# Altium PCB hellen1-72.PcbDoc (part 3 of 3)
Units mm, origin at the board's own origin, x right, y up, seen from the top; angles counter-clockwise.
Board outline 154 x 159 mm, 2 copper layers (Top Layer, Bottom Layer), stack 1.171 mm thick; 118 components, 204 nets, 757 pads, 461 vias.
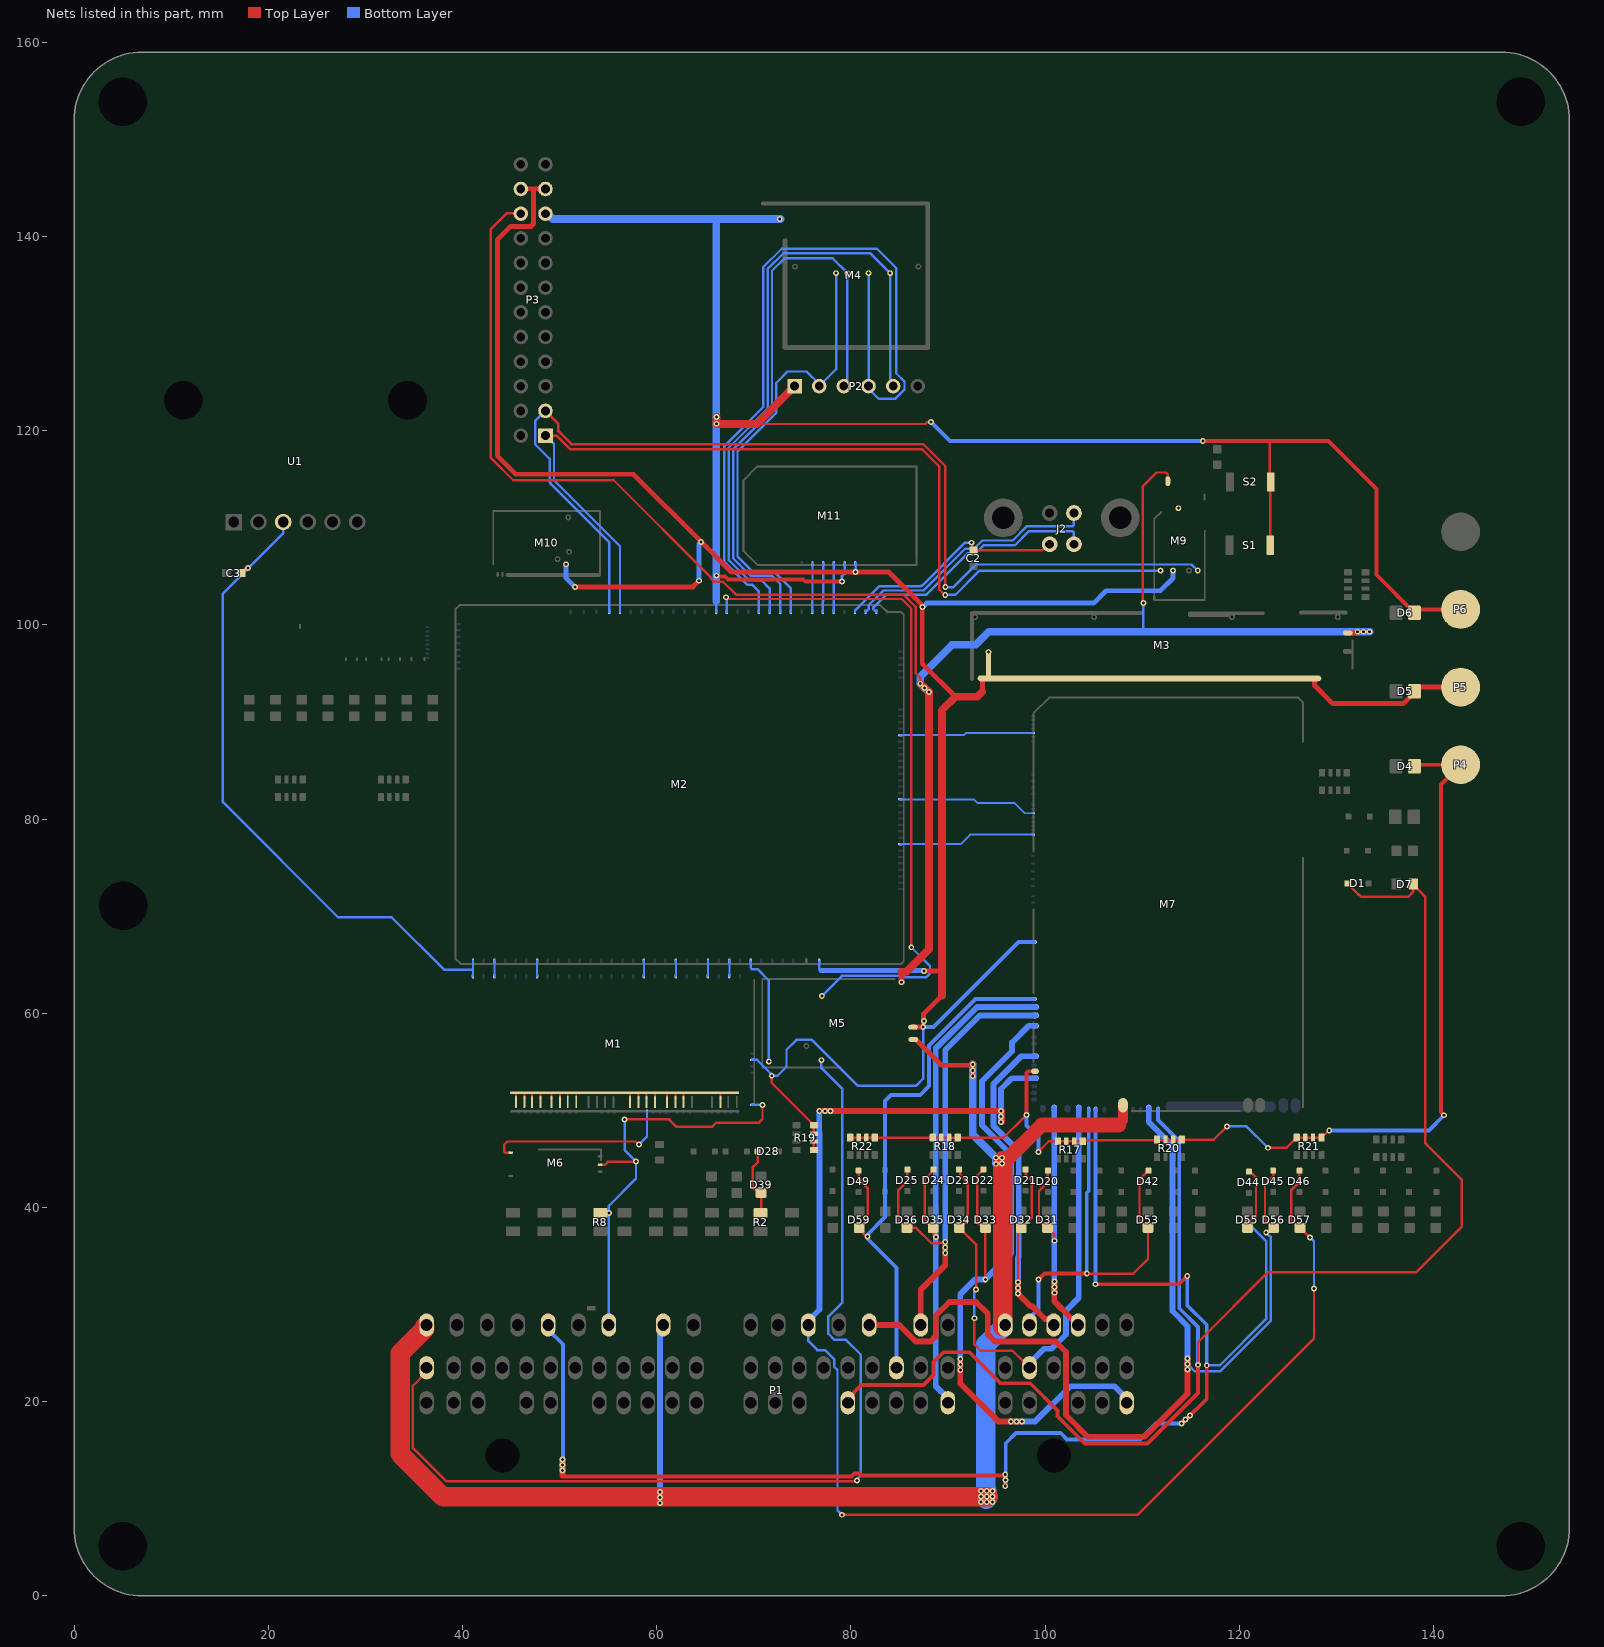
[diagram p3: the nets of this part, all layers, seen from the top]

## Via types
v1: diameter 0.6, hole 0.3, Top Layer to Bottom Layer, tented both sides, 461 vias

## Nets (pads, with @x,y where several pads share a name; then routed paths per layer and width w, separated by ;. In a path a pad name is that pad's centre, name@x,y a point inside that pad or via, vN(x,y) a via of type N, cw(c..) or ccw(c..) an arc to the next point about the centre after c; other vN are vias at no path point) (continued)
OUT_INJ3: D20.2 D31.2 M7.S17 P1.2G | length 33
  Top Layer w0.25: D31.2@100.25,37.9 D31.2@100.3,37.9 ; D20.2@100.3,43.8 100.3,42.624 99.375,41.699 99.375,38.725 100.2,37.9 D31.2@100.3,37.9 ; v1(100.975,36.575) 100.975,37.225 D31.2@100.3,37.9
  Top Layer w0.6: v1@100.95,31.225 100.95,30.35 102.778,28.522 102.984,28.522 103.4,28.106 P1.2G@103.4,27.9 ; v1(100.975,31.225) v1(100.975,31.8) v1(100.975,32.375)
  Bottom Layer w0.6: v1@100.952,31.225 M7.S17@100.952,50.189
OUT_INJ4: D21.2 D32.2 M7.W7 P1.2J | length 47
  Top Layer w0.25: v1(97.2,32.3) 97.212,32.313 97.212,37.562 D32.2@97.55,37.9 97.6,37.9 98.625,38.925 98.625,42.774 98,43.399 D21.2@98,43.925
  Top Layer w0.6: v1(97.2,32.3) v1(97.2,31.725) v1(97.2,31.15) 98.514,29.836 98.682,29.836 99.996,28.522 100.484,28.522 100.9,28.106 P1.2J@100.9,27.9
  Bottom Layer w0.6: v1(97.2,31.15) v1(97.2,31.725) 97.2,34.819 97.3,34.919 97.3,45.8 94.675,48.425 94.675,52.706 97.557,55.589 M7.W7@98.972,55.589
OUT_INJ5: D22.2 D33.2 M7.W10 P1.2C | length 79.3
  Top Layer w0.25: D22.2@93.65,43.925 93,43.275 93,38.45 93.175,38.275 93.45,38.275 93.725,38 D33.2@93.725,37.75 ; v1(93.85,32.6) 93.85,37.625 D33.2@93.725,37.75 ; D33.2@93.875,37.9 D33.2@93.725,37.75
  Top Layer w0.6: v1(91.275,24.4) v1(91.275,23.825) v1(91.275,23.25) 91.275,21.875 95.175,17.975 v1(96.475,17.975) v1(97.05,17.975) v1(97.625,17.975)
  Bottom Layer w0.6: v1(91.275,23.25) v1(91.275,23.825) v1(91.275,24.4) 91.275,31.056 92.819,32.6 v1(93.85,32.6) 96.5,35.25 96.5,45.469 93.5,48.469 93.5,53 96.6,56.1 96.6,56.981 98.332,58.714 M7.W10@98.972,58.714 ; v1(96.475,17.975) v1(97.05,17.975) v1(97.625,17.975) 99,17.975 102.625,21.6 107.15,21.6 108.4,20.35 P1.2C@108.4,19.9
OUT_INJ6: D23.2 D34.2 M7.S15 P1.2N | length 55.6
  Top Layer w0.25: D23.2@91.125,43.9 91.275,43.75 91.275,43.35 92.05,42.575 92.05,38.725 D34.2@91.225,37.9 ; v1(92.725,28.6) 92.725,25.9 93.375,25.25 96.65,25.25 97.711,24.189 97.823,24.189 98.4,23.612 P1.2N@98.4,23.5 ; v1(92.9,31.55) 92.9,36.175 91.6,37.475 91.6,37.525 D34.2@91.225,37.9 ; D34.2@91.225,37.9 D34.2@91.175,37.9 D34.2@91.225,37.9
  Bottom Layer w0.25: v1(92.725,28.6) 92.725,31.28 92.9,31.455 v1(92.9,31.55)
  Bottom Layer w0.6: P1.2N@98.4,23.5 98.4,23.95 99.9,25.45 100.668,25.45 102.15,26.932 102.15,29.375 103.477,30.702 M7.S15@103.477,50.189
OUT_INJ7: D24.2 D35.2 M7.W12 P1.3C | length 56.9
  Top Layer w0.25: D24.2@88.525,43.9 88.225,43.6 88.225,43.525 87.6,42.9 87.6,38.725 88.425,37.9 D35.2@88.475,37.9 88.475,37.25 v1(88.775,36.95)
  Bottom Layer w0.6: P1.3C@90,19.9 90,20.35 88.75,21.6 88.75,26.932 88.75,56.4 93.014,60.664 M7.W12@98.972,60.664
OUT_INJ8: D25.2 D36.2 M7.W11 P1.3D | length 52.7
  Top Layer w0.25: D25.2@85.825,43.9 85.825,42.724 84.9,41.799 84.9,38.725 85.725,37.9 D36.2@85.775,37.9 86.713,37.9 88.288,36.325 89.13,36.325 89.188,36.383 89.658,36.383 v1(89.725,36.45)
  Top Layer w0.6: P1.3D@87.2,27.9 87.2,31.525 89.725,34.05 v1(89.725,35.3) v1(89.725,35.875) v1(89.725,36.45)
  Bottom Layer w0.6: v1(89.725,35.3) v1(89.725,35.875) v1(89.725,36.45) 89.725,56.225 93.289,59.789 M7.W11@98.972,59.789
OUT_MAIN: D49.2 D59.2 M7.W13 P1.3H | length 59.7
  Top Layer w0.25: D49.2@80.8,43.8 80.8,42.95 81.725,42.025 81.725,38.725 D59.2@80.9,37.9 ; D59.2@80.85,37.9 D59.2@80.9,37.9 ; v1(81.7,37) 81.595,37 81.275,37.32 81.275,37.525 D59.2@80.9,37.9
  Bottom Layer w0.4: P1.3H@84.7,23.5 84.7,33.8 81.738,36.762 81.738,36.908 81.711,36.935 81.635,36.935 81.738,37.038 81.738,37.238 83.526,39.026 83.526,50.991 84.135,51.6 87.15,51.6 88.05,52.5 88.05,56.69 92.849,61.489 M7.W13@98.877,61.489
OUT_O2H: D45.2 D56.2 M7.S7 P1.3J | length 109.7
  Top Layer w0.25: v1(122.775,37.425) 122.87,37.425 122.97,37.525 123.125,37.525 D56.2@123.5,37.9 ; D45.2@123.5,43.8 123.5,43.261 122.65,42.411 122.65,38.75 D56.2@123.5,37.9 ; D56.2@123.55,37.9 D56.2@123.5,37.9
  Top Layer w0.6: P1.3J@81.89,27.9 84.982,27.9 86.682,26.2 88.2,26.2 88.75,26.75 88.75,28.868 90.157,30.275 92.9,30.275 94.1,29.075 94.1,26.95 94.85,26.2 101.075,26.2 102.15,25.125 102.15,18.625 104.375,16.4 110.25,16.4 114.675,20.825 v1(114.675,23.3) v1(114.675,23.875) v1(114.675,24.45)
  Bottom Layer w0.25: v1(114.675,24.45) 114.675,23.775 114.775,23.775 115.425,23.125 118.025,23.125 123.225,28.325 123.225,36.975 v1(122.775,37.425)
  Bottom Layer w0.6: M7.S7@110.677,50.189 110.677,48.798 113.1,46.375 113.1,46.29 113.125,46.265 113.125,29.331 114.675,27.781 v1(114.675,24.45) v1(114.675,23.875) v1(114.675,23.3)
OUT_O2H2: D46.2 D57.2 M7.W4 P1.3P | length 147
  Top Layer w0.25: v1(79.075,8.35) 109.525,8.35 127.7,26.525 v1(127.7,31.675) ; D46.2@126.2,43.8 126.2,42.636 125.375,41.811 125.375,38.725 126.2,37.9 D57.2@126.25,37.9 126.3,37.9 v1(127.3,36.9)
  Top Layer w0.6: v1@76.975,49.95 v1(77.325,49.95) v1(77.9,49.95) 85.425,49.95 95.575,49.95 95.575,49.375 v1@95.575,48.8
  Bottom Layer w0.25: P1.3P@75.63,27.9 75.63,26.245 76.555,25.32 77.35,25.32 78.275,24.395 78.275,23.6 78.625,23.25 78.625,8.8 v1(79.075,8.35) ; v1(127.3,36.9) 127.7,36.5 v1(127.7,31.675)
  Bottom Layer w0.6: P1.3P@75.63,27.9 75.63,28.35 76.775,29.495 76.775,47.675 76.75,47.7 v1(76.75,49.95) v1(77.325,49.95) v1(77.9,49.95) ; v1(95.475,48.8) v1(95.475,49.375) 95.475,52.205 96.584,53.314 M7.W4@98.972,53.314
  other v1: 95.475,49.95
OUT_PUMP: D42.2 D53.2 M7.S14 P1.2M | length 44
  Top Layer w0.25: v1(104.3,33.2) 109.084,33.2 110.6,34.716 D53.2@110.6,37.9 110.55,37.9 109.725,38.725 109.725,42.875 D42.2@110.65,43.8
  Top Layer w0.4: v1(99.325,32.575) 99.95,33.2 v1(104.3,33.2)
  Bottom Layer w0.4: P1.2M@98.4,27.9 98.4,28.608 99.325,29.533 v1(99.325,32.575) ; v1(104.3,33.2) 104.3,41.523 104.497,41.72 M7.S14@104.497,50.089
OUT_TACH: D1.1 D7.1 M7.S6 P1.3O | length 156.7
  Top Layer w0.25: v1(115.75,23.8) 115.75,26.13 122.97,33.35 138.25,33.35 142.9,38 142.9,42.875 139.175,46.6 139.175,71.995 137.9,73.27 D7.1@137.9,73.32 137.9,72.5 137.4,72 132.584,72 132.359,72.225 132.275,72.225 D1.1@131.125,73.375
  Top Layer w0.4: P1.3O@79.7,19.9 79.7,20.35 81.072,21.722 87.498,21.722 88.511,22.735 88.511,24.087 89.524,25.1 92.224,25.1 95.424,21.9 98.476,21.9 101.281,19.096 101.281,18.504 104.085,15.7 110.54,15.7 115.75,20.91 v1(115.75,23.8)
  Bottom Layer w0.4: M7.S6@111.652,50.089 111.652,48.998 113.8,46.85 113.8,46.58 113.825,46.555 113.825,29.621 115.75,27.696 v1(115.75,23.8)
OUT_VVT: D44.2 D55.2 M7.S13 P1.4R | length 161.3
  Top Layer w0.25: v1(120.85,38.475) 120.945,38.475 121.245,38.775 121.476,38.775 121.725,39.024 121.725,43.075 D44.2@121,43.8
  Top Layer w0.4: 50.311,12.413 50.411,12.313 80.057,12.313 80.344,12.6 80.924,12.6 81.111,12.413 95.671,12.413 95.72,12.462 95.862,12.462 v1(95.9,12.5) 95.912,12.488 95.912,11.938 v1(95.925,11.925) ; v1@95.95,11.275 v1@95.95,11.925 ; v1(105.2,32.1) 113.8,32.1 v1(114.65,32.95) ; v1(114.05,17.75) v1(114.475,18.175) ; v1@114.5,18.15 116.65,20.3 v1(116.65,23.75) ; D55.2@120.85,37.9 v1(120.85,38.475)
  Top Layer w0.6: 50.3,12.527 50.3,12.675 v1(50.3,12.9) v1(50.3,13.475) v1(50.3,14.05) ; 50.311,12.413 50.311,12.516
  Bottom Layer w0.25: v1@116.65,23.775 118.039,23.775 122.775,28.511 122.775,36.541 120.85,38.466 v1(120.85,38.475)
  Bottom Layer w0.4: P1.4R@48.82,27.9 48.82,27.45 50.35,25.92 v1@50.35,12.759 ; v1(95.9,11.3) 95.9,11.925 v1(95.9,12.5) 95.938,12.538 95.938,12.68 95.95,12.691 95.95,15.725 97,16.775 101.616,16.775 102.266,16.125 109.775,16.125 111.4,17.75 v1(114.05,17.75) 114.075,17.75 114.488,18.163 114.9,18.575 v1(114.925,18.575) ; v1(105.2,32.1) 105.2,50.082 M7.S13@105.207,50.089 ; v1(114.65,32.95) 114.65,29.925 116.65,27.925 v1(116.65,23.75)
  Bottom Layer w0.6: v1(50.3,12.9) v1(50.3,13.475) v1(50.3,14.05)
PUMP: M2.E20 M7.W27 | length 14.3
  Bottom Layer w0.2: M2.E20@85.102,82.045 92.655,82.045 93.05,81.65 96.859,81.65 97.901,80.609 M7.W27@98.772,80.609
SD_CS: M2.N21 M4.V4 P2.2 | length 46.8
  Bottom Layer w0.25: M2.N21@73.825,101.352 73.825,103.75 72.075,105.5 69.875,105.5 68.325,107.05 68.325,117.875 72.325,121.875 72.325,124.95 73.475,126.1 75.45,126.1 76.74,124.81 P2.2@76.74,124.6 78.475,126.335 M4.V4@78.475,136.23
SD_MISO: M2.N19 M4.V7 P2.5 | length 65.4
  Bottom Layer w0.25: M2.N19@71.625,101.352 71.625,103.764 70.789,104.6 69.502,104.6 67.425,106.677 67.425,118.248 71.425,122.248 71.425,136.661 73.039,138.275 82.005,138.275 M4.V7@84.05,136.23 84.05,125.248 84.36,124.938 P2.5@84.36,124.6
SD_MOSI: M2.N20 M4.V5 P2.3 | length 60.8
  Bottom Layer w0.25: M2.N20@72.725,101.352 72.725,104.214 71.889,105.05 69.689,105.05 68.507,106.232 67.875,106.864 67.875,118.061 71.875,122.061 71.875,136.475 73.15,137.75 78.13,137.75 M4.V5@79.65,136.23 79.65,125.308 79.28,124.938 P2.3@79.28,124.6
SD_SCK: M2.N18 M4.V6 P2.4 | length 83.5
  Bottom Layer w0.25: M2.N18@70.525,101.352 70.525,103.45 69.825,104.15 69.316,104.15 66.975,106.491 66.975,118.434 70.975,122.434 70.975,136.848 72.877,138.75 82.675,138.75 84.675,136.75 84.675,125.925 85.525,125.075 85.525,124.245 84.556,123.276 82.874,123.276 81.82,124.33 P2.4@81.82,124.6 81.822,124.602 81.822,136.227 M4.V6@81.825,136.23
SENS2: M1.N25 M2.S9 | length 1.6
  Bottom Layer w0.2: M1.N25@67.482,63.83 M2.S9@67.482,65.42
SENS4: M1.N23 M2.S11 | length 1.6
  Bottom Layer w0.2: M1.N23@65.282,63.83 M2.S11@65.282,65.42
STEERING: M1.N3 M2.S31 | length 1.6
  Bottom Layer w0.2: M1.N3@43.28,63.827 43.283,63.83 43.283,65.42 M2.S31@43.285,65.423
SWCLK: M2.N23 M11.N5 | length 5
  Bottom Layer w0.25: M2.N23@76.025,101.352 76.025,102.425 76.05,102.45 M11.N5@76.05,106.3
SWDIO: M2.N24 M11.N4 | length 5
  Bottom Layer w0.25: M2.N24@77.125,101.352 77.125,102.425 77.15,102.45 M11.N4@77.15,106.3
SWO: M2.N25 M11.N3 | length 5
  Bottom Layer w0.25: M2.N25@78.225,101.352 78.225,103.813 78.25,103.839 M11.N3@78.25,106.3
TACH: M2.E27 M7.W22 | length 14.1
  Bottom Layer w0.2: M2.E27@85.102,77.425 91.3,77.425 92.284,78.409 M7.W22@98.772,78.409
TPS: M1.N17 M2.S17 | length 1.6
  Bottom Layer w0.2: M1.N17@58.683,63.83 M2.S17@58.683,65.42
UART_RX: M2.N5 M9.V2 P3.1 | length 99.9
  Top Layer w0.25: P3.1@48.55,119.5 49.702,119.5 51.127,118.075 87.35,118.075 89.104,116.321 89.104,103.646 89.651,103.1 v1(89.725,103.1)
  Bottom Layer w0.25: P3.1@48.55,119.5 49.425,118.625 49.425,114.902 56.225,108.102 M2.N5@56.225,101.352 ; v1(89.725,103.1) 90.75,103.1 93.25,105.6 M9.V2@111.9,105.6
UART_TX: M2.N4 M9.V5 P3.3 | length 108
  Top Layer w0.25: P3.3@48.55,122.04 49.875,120.715 49.875,119.964 51.214,118.625 87.45,118.625 89.729,116.346 v1(89.729,103.905)
  Bottom Layer w0.25: P3.3@48.55,122.065 47.475,120.99 47.475,118.615 48.975,117.115 48.975,114.716 49.1,114.591 49.1,114.5 55.125,108.475 M2.N4@55.125,101.352 ; v1(89.729,103.905) 90.555,103.905 92.875,106.225 115.1,106.225 M9.V5@115.725,105.6
USB_N: J2.2 M2.N29 | length 25.9
  Bottom Layer w0.25: M2.N29@82.625,101.352 82.625,101.477 82.459,101.477 82.327,101.609 82.327,101.815 83.612,103.1 87.75,103.1 92.05,107.4 92.87,107.4 93.666,108.196 96.877,108.196 98.351,109.671 102.843,109.671 102.975,109.539 J2.2@102.975,108.315
USB_P: J2.3 M2.N28 | length 26.7
  Bottom Layer w0.25: M2.N28@81.525,101.352 81.525,101.477 81.691,101.477 81.823,101.609 81.823,102.024 83.349,103.55 87.473,103.55 91.773,107.85 92.684,107.85 93.534,108.7 96.668,108.7 98.143,110.175 102.843,110.175 102.975,110.306 J2.3@102.975,111.53
V5: D5.1 M1.E2 M2.S1 M3.V6 M5.E1 M7.W14 M9.V3 M10.V1 M11.N1 P3.21 P3.22 P5.1 R19.5 R19.6 R19.7 R19.8 | length 301.6
  Top Layer w0.25: v1(71.85,53.575) 71.85,52.825 75.925,48.75 75.925,48.675 76.125,48.475 R19.8@76.2,48.475 R19.7@76.2,47.6 R19.6@76.2,46.8 R19.5@76.2,45.925
  Top Layer w0.5: P3.22@46.01,144.9 46.035,144.925 47.325,144.925 48.525,144.925 P3.21@48.55,144.9 ; 47.325,144.8 47.325,141.314 47.061,141.05 44.975,141.05 43.6,139.675 43.6,117.425 45.5,115.525 57.6,115.525 v1(64.575,108.55) 67.675,105.45 v1(80.475,105.45) 83.918,105.45 87.357,102.011 87.357,96.02 90.777,92.6 ; v1(51.575,103.925) 63.725,103.925 v1(64.35,104.55) ; M5.E1@86.4,58.575 87.398,58.575 87.423,58.6 v1(87.45,58.6) 87.45,58.627 87.48,58.657 87.48,59.201 87.47,59.21 87.47,59.915 87.734,60.178 89.375,61.819 ; v1(87.525,64.35) 89.375,64.35 ; 93.541,93.116 93.541,94.454 93.587,94.5 127.69,94.5 127.736,94.454 127.736,93.814 129.65,91.9 130.875,91.9 136.88,91.9 138.05,93.07 D5.1@138.05,93.17 138.05,93.27 137.72,93.6 P5.1@142.8,93.6
  Top Layer w0.8: 89.375,61.819 89.375,64.35 89.375,91.198 90.777,92.6 93.025,92.6 93.541,93.116
  Bottom Layer w0.25: M1.E2@69.85,55.198 70.357,55.198 71.783,53.772 71.783,53.737 71.832,53.688 v1@71.868,53.688 ; v1(71.85,53.575) 72.45,53.575 73.375,54.5 73.375,56.25 74.393,57.268 75.982,57.268 80.725,52.525 86.7,52.525 87.45,53.275 v1(87.45,58.6) ; M2.S1@76.725,65.323 76.725,64.625 76.925,64.425 ; v1(80.475,105.45) 80.5,105.475 M11.N1@80.5,106.36
  Bottom Layer w0.4: v1(87.45,58.6) 88.525,58.6 97.264,67.339 M7.W14@98.877,67.339
  Bottom Layer w0.5: M10.V1@50.67,106.255 50.67,104.83 v1(51.575,103.925) ; v1(64.35,104.55) 64.35,108.325 v1(64.575,108.55) ; 76.925,64.425 87.423,64.425 87.498,64.35 v1(87.525,64.35) ; v1(87.375,101.85) 87.402,101.85 87.802,102.25 105,102.25 106.275,103.525 111.875,103.525 113.175,104.825 M9.V3@113.175,105.6
  other v1: 87.53,59.201
V5A: C3.1 M1.E6 M1.J1 M1.J3 M1.J4 M1.J5 M1.J6 M1.J7 M1.J8 M1.J9 M1.J10 M1.J15 M1.J16 M1.J17 M1.J18 M1.J19 M1.J20 M1.J21 M1.J24 M1.N1 M2.S33 M6.E2 P1.4L R8.2 U1.3 | length 120.2
  Top Layer w0.2: M1.J3@45.495,51.25 M1.J1@45.495,51.775 ; M1.J4@46.37,51.25 M1.J1@46.37,51.775 ; M1.J5@47.17,51.25 M1.J1@47.17,51.775 ; M1.J6@48.045,51.25 M1.J1@48.045,51.775 ; M1.J7@49.17,51.25 M1.J1@49.17,51.775 ; M1.J8@50.045,51.25 M1.J1@50.045,51.775 ; M1.J9@50.845,51.25 M1.J1@50.845,51.775 ; M1.J10@51.72,51.25 M1.J1@51.72,51.775 ; M1.J15@57.27,51.25 M1.J1@57.27,51.775 ; M1.J16@58.145,51.25 M1.J1@58.145,51.775 ; M1.J17@58.945,51.25 M1.J1@58.945,51.775 ; M1.J18@59.82,51.25 M1.J1@59.82,51.775 ; M1.J19@61.07,51.25 M1.J1@61.07,51.775 ; M1.J20@61.945,51.25 M1.J1@61.945,51.775 ; M1.J21@62.745,51.25 M1.J1@62.745,51.775 ; M1.J24@66.575,51.25 M1.J1@66.575,51.775
  Top Layer w0.25: M6.E2@54.175,44.4 54.675,44.4 54.975,44.7 57.825,44.7 v1(57.875,44.75) ; R8.2@54.2,39.45 v1(55.1,39.45) ; v1(56.7,49.05) 56.725,49.075 61.275,49.075 62.041,48.309 65.7,48.309 66.141,48.75 70.55,48.75 70.9,49.1 v1(70.9,50.575)
  Top Layer w0.4: C3.1@17.24,105.35 17.727,105.837 17.887,105.837 v1(17.925,105.875)
  Bottom Layer w0.2: M1.N1@41.08,63.827 41.083,63.83 41.083,64.5 41.085,64.503 M2.S33@41.085,65.423
  Bottom Layer w0.25: U1.3@21.53,110.6 21.53,109.43 15.325,103.225 15.325,81.761 15.593,81.493 27.186,69.9 32.7,69.9 38.1,64.5 41.083,64.5 ; P1.4L@55.08,27.9 v1@55.08,39.45 ; v1(55.1,39.45) v1@55.08,39.45 ; v1(56.7,49.05) 56.7,45.925 v1(57.875,44.75) 57.875,42.975 55.08,40.18 v1@55.08,39.45 ; M1.E6@69.85,50.578 70.897,50.578 v1(70.9,50.575)
V12: M3.V5 M5.V1 M9.N1 M9.V1 P3.20 | length 189.8
  Top Layer w0.25: P3.20@46.01,142.385 44.535,142.385 42.925,140.775 42.925,117.2 45.225,114.9 55.575,114.9 65.55,104.925 65.55,104.816 65.916,104.45 66.85,104.45 68.175,103.125 85.43,103.125 86.675,101.88 86.675,95.03 87.13,94.575 87.13,93.97 v1(87.15,93.95) v1@87.2,93.95 ; v1(110.125,102.25) 110.07,102.305 110.07,111.988 110.05,112.008 110.05,114.275 111.475,115.7 112.45,115.7 112.65,115.5 M9.N1@112.65,114.8
  Top Layer w0.5: M3.V5@131.17,99.175 132.048,99.175 132.173,99.3 v1(132.2,99.3) 132.219,99.319 132.29,99.319 132.314,99.343 132.73,99.343 132.773,99.3 v1(132.8,99.3) 132.827,99.3 132.882,99.355 133.343,99.355 133.398,99.3 v1(133.425,99.3)
  Top Layer w0.6: M5.V1@85.225,63.2 85.225,64.275
  Top Layer w0.8: 85.225,64.275 85.725,64.275 88.048,66.598 88.048,93.102 87.61,93.54 v1@87.2,93.95
  Bottom Layer w0.25: 110.125,99.3 v1(110.125,102.25)
  Bottom Layer w0.8: v1(88.035,93.09) 88.01,93.09 v1(87.585,93.515) v1(87.15,93.95) 87.15,94.675 90.425,97.95 92.85,97.95 94.2,99.3 110.125,99.3 v1(132.2,99.3) v1(132.8,99.3) v1(133.425,99.3)
V12_PERM: M5.V4 P1.4AG | length 103.1
  Top Layer w0.25: P1.4AG@36.3,23.5 36.3,23.05 34.9,21.65 34.9,15.225 38.337,11.788 80.327,11.788 80.373,11.833 80.567,11.833 v1(80.634,11.9)
  Bottom Layer w0.25: M5.V4@76.965,55.175 76.965,54.36 79.125,52.2 79.125,30.235 77.685,28.795 77.685,27.005 78.315,26.375 79.5,26.375 81.025,24.85 81.025,12.385 80.634,11.995 v1(80.634,11.9)
V12_RAW: M5.E2 M7.S11 P1.2P P1.4AF P1.4D | length 172.6
  Top Layer w0.5: M5.E2@86.43,57.305 86.68,57.305 89.336,54.65 92.448,54.65 92.523,54.725 v1(92.55,54.725) 92.55,54.698 92.55,54.207 v1@92.55,53.625
  Top Layer w0.6: v1(60.35,9.55) v1(60.35,10.125) v1(60.35,10.7) ; v1(93.4,9.675) 93.4,10.2 v1(93.4,10.25) v1(93.4,10.825) ; v1(94,9.675) 94,10.2 v1(94,10.25) v1(94,10.825) ; v1(94.575,9.675) v1(94.575,10.25) v1(94.575,10.825)
  Top Layer w0.8: v1@92.523,54.725 v1@92.55,54.698
  Top Layer w1: v1(95.55,44.525) 95.6,44.525 v1@95.638,44.488 ; 107.6,48.5 108.027,48.927 M7.S11@108.027,50.539
  Top Layer w1.5: v1@95.638,44.488 99.65,48.5 107.6,48.5
  Top Layer w2: P1.4AF@36.1,27.7 36.1,27.5 33.575,24.975 33.575,14.625 38,10.2 93.4,10.2 94,10.2 v1@94.15,10.2 ; P1.2P@95.638,27.7 95.638,44.488 v1@95.638,44.8
  Bottom Layer w0.6: v1(60.35,9.55) v1(60.35,10.125) v1(60.35,10.7) 60.35,26.886 60.67,27.206 P1.4D@60.67,27.9
  Bottom Layer w0.8: v1(92.55,54.725) 92.55,54.207 92.55,53.625 92.55,47.525 v1(94.95,45.125) ; v1(94.95,45.125) v1(94.95,44.5) 95,44.5 95.006,44.506 95.531,44.506 v1(95.55,44.525) v1(95.55,45.125) v1(94.95,45.125)
  Bottom Layer w2: v1@93.95,9.975 v1@93.95,10.825 ; v1(94,10.825) 93.9,10.925 93.9,25.9 P1.2P@95.7,27.7
  other v1: 92.55,53.525 92.55,54.107
V12P: D4.1 M7.W5 P4.1 R17.5 R17.6 R17.7 R17.8 R18.5 R18.6 R18.7 R18.8 R20.5 R20.6 R20.7 R20.8 R21.5 R21.6 R21.7 R21.8 R22.5 R22.6 R22.7 R22.8 | length 116.1
  Top Layer w0.25: R22.8@79.925,47.2 R22.7@80.8,47.2 R22.6@81.6,47.2 R22.5@82.475,47.2 R18.8@88.45,47.2 R18.7@89.325,47.2 R18.6@90.125,47.2 R18.5@91,47.2 95.742,47.2 v1(98.084,49.541) ; v1(99.325,45.725) 99.325,45.775 100.375,46.825 R17.8@101.325,46.825 R17.7@102.2,46.825 R17.6@103,46.825 R17.5@103.875,46.825 103.963,46.913 R20.8@111.525,46.913 ; R20.8@111.525,47 R20.8@111.525,46.913 ; R20.7@112.4,47 R20.7@112.4,46.913 ; R20.6@113.2,47 R20.6@113.2,46.913 ; v1(118.725,48.35) 117.375,47 R20.5@114.075,47 113.988,46.913 R20.6@113.2,46.913 ; v1(122.95,46.15) 124.875,46.15 125.65,46.925 125.725,46.925 125.925,47.125 R21.8@125.925,47.2 R21.7@126.8,47.2 R21.6@127.6,47.2 R21.5@128.475,47.2 128.475,47.275 128.675,47.475 128.75,47.475 v1@129.238,47.962 ; R20.8@111.525,46.913 R20.7@112.4,46.913 ; R20.7@112.4,46.913 R20.6@113.2,46.913
  Top Layer w0.4: v1(98.084,49.541) 98.084,53.859 98.259,54.035 M7.W5@98.972,54.035 ; D4.1@138.05,85.45 138.2,85.6 P4.1@142.8,85.6 140.775,83.575 140.775,49.825 v1(141.1,49.5)
  Bottom Layer w0.25: v1(118.725,48.35) 120.75,48.35 v1(122.95,46.15)
  Bottom Layer w0.4: v1(98.084,49.541) 98.084,48.44 99.325,47.199 v1(99.325,45.725) ; v1(129.275,47.925) 139.525,47.925 v1(141.1,49.5)
V33: D6.1 M2.N14 M4.V1 M11.N2 P2.1 P3.19 P6.1 S1.2 S2.2 | length 187.4
  Top Layer w0.25: 70.3,120.7 87.675,120.7 87.846,120.871 88.221,120.871 v1(88.25,120.9) ; 122.975,118.95 123.004,118.95 123.15,118.804 123.15,114.825 S2.2@123.25,114.725 123.2,114.675 S1.2@123.2,108.225
  Top Layer w0.4: v1(66.175,105.075) 66.229,105.075 66.329,104.975 67.067,104.975 67.342,104.7 75.09,104.7 75.315,104.475 v1(79.075,104.475) ; v1(116.25,118.95) 122.975,118.95 ; 123.004,118.95 129.175,118.95 134.125,114 134.125,105.175 D6.1@138.05,101.25 138.4,101.6 P6.1@142.8,101.6
  Top Layer w0.8: v1@66.174,120.775 v1@66.175,120.775 ; v1@66.175,120.7 70.3,120.7 P2.1@74.2,124.6 ; v1(66.175,120.725) v1@66.175,120.775 ; v1(66.175,121.425) v1@66.175,120.775
  Bottom Layer w0.25: M2.N14@66.125,101.352 66.125,102.475 ; v1@66.125,105.025 v1(66.175,105.075) ; v1(79.075,104.475) 79.075,105 79.35,105.275 M11.N2@79.35,106.3
  Bottom Layer w0.4: v1(88.25,120.9) 90.2,118.95 v1(116.25,118.95)
  Bottom Layer w0.8: P3.19@48.55,142.385 48.714,142.385 49.294,141.805 66.325,141.805 ; 66.125,102.475 66.125,105.025 66.125,141.605 66.325,141.805 ; M4.V1@72.75,141.805 66.325,141.805
VBAT: M2.N15 M5.V2 | length 71.7
  Top Layer w0.25: v1(67.125,102.85) 67.22,102.85 67.395,102.675 85.243,102.675 86.225,101.693 v1(86.225,66.8)
  Bottom Layer w0.25: v1(67.125,102.85) 67.125,102.755 67.225,102.655 M2.N15@67.225,101.352 ; M5.V2@77.013,61.788 79.075,63.85 85.459,63.85 85.584,63.725 87.784,63.725 88.15,64.091 88.15,64.875 v1(86.225,66.8)
VBUS: C2.2 J2.1 M2.N27 | length 24
  Top Layer w0.25: v1(92.425,108.475) 92.492,108.408 92.492,107.829 C2.2@92.641,107.68 99.687,107.68 100.322,108.315 J2.1@100.475,108.315
  Bottom Layer w0.25: M2.N27@80.425,101.352 80.425,101.477 82.948,104 87.175,104 87.2,104.025 87.311,104.025 91.761,108.475 v1(92.425,108.475)
VIGN: M2.S7 M5.V5 | length 11.4
  Bottom Layer w0.25: M2.S7@69.685,65.323 69.685,64.671 69.831,64.525 70.425,64.525 71.55,63.4 M5.V5@71.55,55.025
VREF2: M1.S13 M6.W2 | length 19.3
  Top Layer w0.25: M6.W2@44.975,45.65 44.421,45.65 44.29,45.782 44.29,46.465 44.625,46.8 57.85,46.8 v1(58.175,46.475)
  Bottom Layer w0.25: v1(58.175,46.475) 59.007,47.307 M1.S13@59.007,49.865
VSS: M1.N20 M2.S14 | length 1.6
  Bottom Layer w0.2: M1.N20@61.982,63.83 M2.S14@61.982,65.42
VSS_PULLUP: D28.2 D39.2 R2.2 | length 7.1
  Top Layer w0.25: D28.2@70.4,45.775 70.4,44.65 69.875,44.125 69.875,42.05 70.05,41.875 70.375,41.875 D39.2@70.75,41.5 70.75,39.5 R2.2@70.7,39.45
VTCS: M1.N7 M2.S27 | length 1.6
  Bottom Layer w0.2: M1.N7@47.683,63.83 M2.S27@47.683,65.42
VVT: M2.E10 M7.W36 | length 13.8
  Bottom Layer w0.2: M2.E10@85.102,88.645 91.645,88.645 91.879,88.879 M7.W36@98.772,88.879
pads on no net: J2.MH M1.E3 M1.E4 M1.S14 M2.E11 M2.E13 M2.E23 M2.E24 M2.N10 M2.N11 M2.N12 M2.N13 M2.N16 M2.N17 M2.N30 M2.S3 M2.S4 M2.S5 M2.S6 M7.S9 M7.W8 P1. P1.3S P1.4AC P1.4E P1.4Z P3.12 P3.13 P3.14 P3.15 P3.16 P3.17 P3.18 R19.4 R22.4 U1. U1.4 U1.5 U1.6
copper on no net: | length 92
  Top Layer w0.6: 111.105,123.248 111.12,128.535 ; 111.118,123.185 ccw(c113.268,123.175) 113.258,121.025 ; 111.12,128.515 cw(c113.27,128.525) 113.26,130.675 ; 113.255,121.022 124.155,121.022 ; 113.258,130.672 124.182,130.672 ; 124.18,121.023 ccw(c124.17,123.172) 126.32,123.182 126.32,128.585 ; 124.183,130.675 cw(c124.173,128.525) 126.323,128.516
  Bottom Layer w0.6: 111.105,123.248 111.12,128.535 ; 111.118,123.185 ccw(c113.268,123.175) 113.258,121.025 ; 111.12,128.515 cw(c113.27,128.525) 113.26,130.675 ; 113.255,121.022 124.155,121.022 ; 113.258,130.672 124.182,130.672 ; 124.18,121.023 ccw(c124.17,123.172) 126.32,123.182 126.32,128.585 ; 124.183,130.675 cw(c124.173,128.525) 126.323,128.516

## Polygon pours and split planes (outlines as drawn)
no net on Top Overlay "PGND-Internal2" (solid): 124.477,127.405 124.535,127.018 124.598,126.666 124.739,125.941 124.842,125.402 125.051,124.755 125.211,124.44 125.305,124.261 125.418,124.188 125.481,124.141 125.495,124.12 125.512,124.009 125.522,123.864 125.524,123.774 125.498,123.725 125.436,123.682 123.914,123.501 123.845,123.514 123.781,123.561 123.767,123.581 123.749,123.782 123.746,123.872 123.753,123.907 123.779,123.956 123.923,124.056 123.974,124.245 124.047,124.663 124.056,124.912 124.062,125.558 124.016,126.625 123.982,127.241 123.979,127.331 123.986,127.366 124.012,127.415 124.053,127.444 124.219,127.469 124.364,127.479 124.399,127.473 124.448,127.446
no net on Top Overlay "PGND-Internal2" (solid): 124.485,127.655 124.53,127.809 124.52,127.954 124.483,128.05 124.405,128.118 124.293,128.191 124.174,128.23 124.063,128.214 123.947,128.163 123.824,128.077 123.764,127.944 123.754,127.784 123.785,127.653 123.857,127.55 123.926,127.538 124.424,127.612
no net on Top Overlay "PGND-Internal2" (solid): 124.506,123.397 124.222,123.106 124.076,122.791 124.06,122.596 124.085,122.43 124.115,122.299 124.201,122.176 124.398,122.07 124.588,121.929 124.715,121.834 124.836,121.705 124.916,121.548 124.961,121.396 124.978,121.285 124.974,121.161 124.906,121.083 124.869,121.179 124.804,121.316 124.689,121.48 124.541,121.56 124.359,121.646 124.177,121.732 123.995,121.818 123.845,121.988 123.759,122.111 123.657,122.344 123.659,122.559 123.695,122.768 123.781,122.95 123.902,123.127 124.25,123.37 124.457,123.424
no net on Top Overlay "PGND-Internal2" (solid): 124.703,123.29 124.871,123.225 124.984,123.151 125.162,122.94 125.334,122.695 125.401,122.467 125.379,122.238 125.369,122.078 125.332,121.869 125.275,121.646 125.228,121.582 125.105,121.496 125.103,121.587 125.043,121.759 124.871,122.004 124.736,122.154 124.56,122.275 124.416,122.479 124.334,122.727 124.371,122.936 124.451,123.084 124.56,123.19
no net on Top Overlay "PGND-Internal2" (solid): 124.968,123.369 125.03,123.412 125.264,123.317 125.547,123.088 125.797,122.775 125.905,122.576 126.01,122.252 125.989,121.933 125.844,121.617 125.684,121.322 125.477,120.964 125.365,120.733 125.287,120.495 125.238,120.216 125.254,120.106 125.15,120.124 125.088,120.386 125.049,120.573 125.078,120.837 125.154,121.165 125.293,121.445 125.459,121.775 125.59,122.111 125.6,122.271 125.547,122.478 125.459,122.691 125.35,122.889 125.164,123.155 125.014,123.325
no net on Bottom Overlay "PGND-Internal2" (solid): 112.748,127.505 112.69,127.118 112.627,126.766 112.486,126.041 112.383,125.502 112.174,124.855 112.014,124.54 111.92,124.361 111.807,124.288 111.744,124.241 111.73,124.22 111.713,124.109 111.703,123.964 111.701,123.874 111.727,123.825 111.789,123.782 113.311,123.601 113.38,123.614 113.444,123.661 113.458,123.681 113.476,123.882 113.479,123.972 113.472,124.007 113.446,124.056 113.302,124.156 113.251,124.345 113.178,124.763 113.169,125.012 113.163,125.658 113.209,126.725 113.243,127.341 113.246,127.431 113.239,127.466 113.213,127.515 113.172,127.544 113.006,127.569 112.861,127.579 112.826,127.573 112.777,127.546
no net on Bottom Overlay "PGND-Internal2" (solid): 112.74,127.755 112.695,127.909 112.705,128.054 112.742,128.15 112.82,128.218 112.932,128.291 113.051,128.33 113.162,128.314 113.278,128.263 113.401,128.177 113.461,128.044 113.471,127.884 113.44,127.753 113.368,127.65 113.299,127.638 112.801,127.712
no net on Bottom Overlay "PGND-Internal2" (solid): 112.719,123.497 113.003,123.206 113.149,122.891 113.165,122.696 113.14,122.53 113.11,122.399 113.024,122.276 112.827,122.17 112.637,122.029 112.51,121.934 112.389,121.805 112.309,121.648 112.264,121.496 112.247,121.385 112.251,121.261 112.319,121.183 112.356,121.279 112.421,121.416 112.536,121.58 112.684,121.66 112.866,121.746 113.048,121.832 113.23,121.918 113.38,122.088 113.466,122.211 113.568,122.444 113.566,122.659 113.53,122.868 113.444,123.05 113.323,123.227 112.975,123.47 112.768,123.524
no net on Bottom Overlay "PGND-Internal2" (solid): 112.522,123.39 112.354,123.325 112.241,123.251 112.063,123.04 111.891,122.795 111.824,122.567 111.846,122.338 111.856,122.178 111.893,121.969 111.95,121.746 111.997,121.682 112.12,121.596 112.122,121.687 112.182,121.859 112.354,122.104 112.489,122.254 112.665,122.375 112.809,122.579 112.891,122.827 112.854,123.036 112.774,123.184 112.665,123.29
no net on Bottom Overlay "PGND-Internal2" (solid): 112.257,123.469 112.195,123.512 111.961,123.417 111.678,123.188 111.428,122.875 111.32,122.676 111.215,122.352 111.236,122.033 111.381,121.717 111.541,121.422 111.748,121.064 111.86,120.833 111.938,120.595 111.987,120.316 111.971,120.206 112.075,120.224 112.137,120.486 112.176,120.673 112.147,120.937 112.071,121.265 111.932,121.545 111.766,121.875 111.635,122.211 111.625,122.371 111.678,122.578 111.766,122.791 111.875,122.989 112.061,123.255 112.211,123.425
GND on Top Layer "GND_TOP" (solid, remove dead copper, pour order 0): 0,159.15 0.225,158.925 154.225,158.925 154.225,0.2 154.025,0 153.975,0.05 0,0.05
GND on Bottom Layer "GND_BOTTOM" (solid, remove dead copper, pour order 1): 0,159.15 0.225,158.925 154.225,158.925 154.225,0.2 154.025,0 153.975,0.05 0,0.05

## Keep-outs
Keep-Out Layer:
  the board outline again, w0.2

## Other copper
Top Layer:
  pour cut-out: 44.6,46.5 47.7,46.5 47.9,46.3 47.9,46 54.2,46 54.2,45 54.4,44.8 54.6,44.8 54.6,42.3 44.5,42.3 44.5,46.3
  pour cut-out: 20.25,100.25 36.75,100.25 37,100 37,96.25 36.75,96 20.25,96 20,96.25 20,100
  pour cut-out: 70.925,63.55 84.55,63.55 84.55,63.9 84.575,63.925 86.8,63.925 87,63.725 87,54.025 86.982,54.007 79,54.007 79,54.418 70.9,54.425
  pour cut-out: 43.17,111.755 43.179,111.764 54.242,111.764 54.242,104.97 54.232,104.98 44.409,104.97 44.407,104.768 43.179,104.768 43.179,105.775 42.9,106.104 43.071,106.275 43.071,111.748
  pour cut-out: 69.947,143.854 70.759,143.859 70.759,143.521 70.875,143.405 70.9,143.43 87.925,143.43 87.925,128.63 87.9,128.605 73.225,128.605 73.225,139.48 73.25,139.505 72.699,139.48 72.699,140.506 72.35,140.855 69.025,140.855 69.025,143.86
  pour cut-out: 111.96,111.635 111.96,115.085 112.388,115.513 116.312,115.513 116.8,115.025 116.825,115.025 116.825,113.689 116.641,113.506 116.438,113.506 116.438,112.886 116.417,112.865 116.507,112.775 116.825,112.775 116.825,109.825 116.875,109.775 116.775,109.675 116.475,109.675 116.475,102.575 111.368,102.575 111.25,102.693 111.25,110.925
  pour cut-out: 92.55,101.175 92.575,101.2 110,101.2 110,101.231 110.522,101.753 114.718,101.753 114.718,101.232 114.825,101.125 114.95,101.25 122.608,101.125 122.608,101.753 126.095,101.753 126.228,101.2 131.094,101.2 131.173,101.614 131.85,101.614 131.85,98.475 131.675,98.475 131.65,98.45 131.66,98.44 131.66,95.248 130.676,94.263 130.463,94.05 128.341,94.05 128.2,94.5 93.108,94.5 93.108,94.05 92.473,94.05
  pour cut-out: 98.866,90.958 100.435,92.527 126.002,92.533 126.575,91.96 126.575,88.01 126.6,88.01 126.85,87.76 126.8,87.71 126.8,75.985 126.575,75.76 126.575,50.46 126.855,50.18 126.855,49.979 126.495,49.62 120.265,49.62 119.925,49.96 107.419,49.96 107.079,49.62 99.265,49.62 98.57,50.315 98.57,54.78 98.85,55.06
  pour cut-out: 68.974,114.888 70.369,116.283 70.369,116.305 86.702,116.305 86.723,116.283 86.723,106.158 70.426,106.158 68.967,107.618 68.959,107.618
  pour cut-out: 39.708,64.309 69.716,64.309 70.3,63.725 70.3,63.65 70.075,63.425 70.098,63.402 70.098,50.208 69.212,49.322 69.209,49.325 40.775,49.325 39.025,51.075 39.075,51.125 39.075,63.7
  pour cut-out: 39.251,101.673 39.636,102.05 83.025,102.05 83.725,101.35 85.175,101.35 85.45,101.075 85.45,65.274 85.175,64.999 85.164,65.009 39.782,65.009 39.782,65.028 39.198,65.612
  region: 125.47,121.385 125.108,121.022 112.633,121.022 112.27,121.385
  region: 125.455,130.31 125.093,130.672 112.618,130.672 112.055,130.11 125.355,130.11 125.455,130.21
  region: 125.47,121.385 126.295,122.21 126.295,129.035 126.07,129.26 126.07,129.595 125.455,130.21
  region: 112.831,120.81 111.113,122.01 111.113,128.766 111.338,128.991 111.62,129.81 112.831,130.485
  text "1" at 125.77,130.135 h15 r180
Bottom Layer:
  pour cut-out: 20.225,100.275 36.725,100.275 36.975,100.025 36.975,96.275 36.725,96.025 20.225,96.025 19.975,96.275 19.975,100.025
  region: 112.831,120.81 111.113,122.01 111.113,128.766 111.338,128.991 111.62,129.81 112.831,130.485
  region: 124.193,121.023 125.283,121.339 126.295,122.21 126.295,129.035 126.07,129.26 126.07,129.595 125.283,130.485 124.193,130.672
  region: 125.455,130.31 125.093,130.672 112.618,130.672 112.055,130.11 125.355,130.11 125.455,130.21
  region: 125.47,121.385 125.108,121.022 112.633,121.022 112.27,121.385
  pour cut-out: 98.586,90.678 100.435,92.527 126.002,92.533 126.575,91.96 126.575,88.01 126.6,88.01 126.85,87.76 126.8,87.71 126.8,75.985 126.575,75.76 126.575,50.46 126.855,50.18 126.855,49.979 126.611,49.735 120.15,49.735 119.925,49.96 107.419,49.96 107.079,49.62 99.265,49.62 98.531,50.354 98.44,66.177 98.531,66.39
  pour cut-out: 68.974,114.888 70.369,116.283 70.369,116.305 86.702,116.305 86.723,116.283 86.702,107.184 87.025,107.184 87.025,105.85 70.3,105.85 69.25,106.9 69.431,107.184 68.974,107.641
  pour cut-out: 39.683,64.284 69.691,64.284 70.275,63.7 70.275,63.625 70.05,63.4 70.073,63.377 70.073,50.183 69.187,49.297 69.184,49.3 40.75,49.3 39,51.05 39.05,51.1 39.05,63.675
  pour cut-out: 39.251,101.673 39.636,102.05 83.025,102.05 83.725,101.35 85.175,101.35 85.45,101.075 85.45,65.274 85.175,64.999 85.164,65.009 39.782,65.009 39.782,65.028 39.198,65.612
  text "1" at 111.7,130.135 h15 r180

## Silkscreen, mask and mechanical layers (free items; w line width, h text height)
Top Overlay:
  rectangle: 93.025,137.675 143.025,157.675
  lines w0.4: 15.75,85 15.75,94.8 ; 15.75,85.05 38.4,85.05 ; 15.75,94.85 38.3,94.85 ; 38.35,85.05 38.35,94.85 ; 46.4,30.9 46.4,40.7 ; 51.75,30.9 51.75,40.7 ; 57.9,30.9 57.9,40.7 ; 63.6,40.7 43.15,40.7 43.15,30.9 75.15,30.9 75.35,30.7 141.85,30.7 141.85,40.725 ; 63.65,30.9 63.65,44.7 71.9,44.7 71.9,30.9 ; 71.9,40.7 75.15,40.7 ; 75.05,30.9 75.05,40.7 ; 84.65,31 84.65,40.8 ; 106.75,30.8 106.75,40.6 ; 110.395,123.135 110.395,128.533 ; 110.395,123.16 ccw(c113.208,123.148) 113.195,120.335 124.095,120.335 ; 110.398,128.51 cw(c113.21,128.523) 113.198,131.335 124.123,131.335 cw(c124.11,128.523) 126.923,128.51 ; 111.9,129.815 124.063,129.815 ; 118.3,30.9 118.3,40.7 ; 124.12,120.335 ccw(c124.108,123.148) 126.92,123.16 126.92,128.538 ; 130.05,30.9 130.05,40.7 ; 134.16,71.445 147.945,71.445 149.065,72.565 149.065,82.175 ; 134.19,71.445 134.19,83.04 ; 135.325,105.51 150.095,105.51 ; 135.375,89.55 150.145,89.55 ; 135.425,97.53 150.195,97.53 ; 134.19,83.04 134.19,112.14 135.06,113.01 149.83,113.01 151.04,111.8 151.04,83.3 150.14,82.4 149.96,82.22 135.01,82.22 134.19,83.04
  text "https://rusefi.com/s/hellen72" at 141.6,135.114 h4 r180
  text "a" at 102.029,129.501 h6 r180
  text "H" at 124.945,129.385 h9 r180
  text "ellen" at 120.58,129.28 h6 r180
  text "72" at 110.045,128.91 h9 r170
  text "SD-CARD" at 84.835,128.15 h2 r180
  text "Extension Port" at 44.125,125.882 h2 r90
  text "andreika, 2021" at 151.175,123.3 h4 r90
  text "©" at 151.55,119.6 h4 r90
  text "ST-Link/V2 mini" at 83.92,119.475 h2 r180
  text "USB-B" at 106.035,119.1 h2 r180
  text "RESET" at 131.444,115.975 h2 r180
  text "GND" at 150.381,110.593 h2 r180
  text "PROG" at 131.394,109.475 h2 r180
  text "MAP MPX4250" at 30.125,108.9 h2 r180
  text "+3.3" at 150.167,102.582 h2 r180
  text "+5" at 149.99,94.563 h2 r180
  text "+12" at 149.99,86.566 h2 r180
  text "IGN1 ▶" at 18.978,83.362 h1.5 r90
  text "IGN2 ▶" at 21.678,83.362 h1.5 r90
  text "IGN3 ▶" at 24.378,83.362 h1.5 r90
  text "IGN4 ▶" at 27.078,83.362 h1.5 r90
  text "IGN5 ▶" at 29.778,83.362 h1.5 r90
  text "IGN6 ▶" at 32.478,83.362 h1.5 r90
  text "IGN7 ▶" at 35.178,83.362 h1.5 r90
  text "IGN8 ▶" at 37.878,83.362 h1.5 r90
  text "VIGN ▶" at 146.343,81.283 h2 r180
  text "ALTERN ▶" at 149.25,77.733 h2 r180
  text "TACH ▶" at 146.263,74.373 h2 r180
  text "IGN8 ▶" at 46.285,31.375 h1.5 r90
  text "2003 ▶" at 49.385,31.375 h1.5 r90
  text "2002 ▶" at 51.835,31.375 h1.5 r90
  text "+5V ▶" at 55.301,31.375 h1.5 r90
  text "IGN6 ▶" at 57.534,31.375 h1.5 r90
  text "GND ▶" at 60.885,31.375 h1.5 r90
  text "IGN5 ▶" at 63.385,31.375 h1.5 r90
  text "CRANK ▶" at 66.689,31.375 h1.5 r90
  text "CAM ▶" at 69.128,31.375 h1.5 r90
  text "VSS ▶" at 71.676,31.375 h1.5 r90
  text "IGN7 ▶" at 74.935,31.375 h1.5 r90
  text "HALL pullups" at 65.1,30.97 h1.2 r90
  text "4u (MAP)" at 44.625,30.932 h1.2 r90
  text "Miata VIGN" at 47.675,30.932 h1.2 r90
  text "4k (MAP +5)" at 53.212,30.932 h1.2 r90
  text "3z (MAP gnd)" at 59.388,30.932 h1.2 r90
  text "3L (AFR)" at 73.375,30.932 h1.2 r90
  text "VVT ▶" at 81.878,30.662 h1.5 r90
  text "INJ8 ▶" at 86.803,30.662 h1.5 r90
  text "INJ7 ▶" at 89.503,30.662 h1.5 r90
  text "INJ6 ▶" at 92.203,30.662 h1.5 r90
  text "INJ5 ▶" at 94.903,30.662 h1.5 r90
  text "INJ4 ▶" at 98.578,30.662 h1.5 r90
  text "INJ3 ▶" at 101.178,30.662 h1.5 r90
  text "INJ2 ▶" at 103.878,30.662 h1.5 r90
  text "INJ1 ▶" at 106.578,30.662 h1.5 r90
  text "A/C ▶" at 108.928,30.662 h1.5 r90
  text "F_PUMP ▶" at 111.628,30.662 h1.5 r90
  text "IDLE ▶" at 114.328,30.662 h1.5 r90
  text "ECF ▶" at 117.028,30.662 h1.5 r90
  text "MAIN ▶" at 121.878,30.662 h1.5 r90
  text "O2H ▶" at 124.578,30.662 h1.5 r90
  text "O2H2 ▶" at 127.278,30.662 h1.5 r90
  text "CE ▶" at 129.978,30.662 h1.5 r90
  text "COIL_B2 ▶" at 133.178,30.662 h1.5 r90
  text "COIL_B1 ▶" at 135.878,30.662 h1.5 r90
  text "COIL_A2 ▶" at 138.578,30.662 h1.5 r90
  text "COIL_A1 ▶" at 141.278,30.662 h1.5 r90
  text "ALT_W ▶" at 79.078,30.019 h1.5 r90
  text "CANIST ▶" at 84.478,30.019 h1.5 r90
Bottom Overlay:
  lines w0.4: 110.395,123.135 110.395,128.533 ; 110.395,123.16 ccw(c113.208,123.148) 113.195,120.335 124.095,120.335 ; 110.398,128.51 cw(c113.21,128.523) 113.198,131.335 124.123,131.335 cw(c124.11,128.523) 126.923,128.51 ; 112.5,129.815 124.662,129.815 ; 124.12,120.335 ccw(c124.108,123.148) 126.92,123.16 126.92,128.538
  text "https://rusefi.com/s/hellen72" at 94.363,135.114 h4 r180
  text "a" at 135.358,129.501 h6 r180
  text "H" at 112.325,129.375 h9 r180
  text "ellen" at 116.475,129.275 h6 r180
  text "72" at 127.343,128.91 h9 r190
  text "andreika, 2021" at 149.387,123.235 h4 r270
  text "©" at 149.012,119.535 h4 r270
Mechanical 15:
  the board outline again, w0.2

## Text inside footprints (layer, text, board x,y; h text height)
P1: Top Overlay "4AH" at 37.333,18.5 h0.8 r180; Top Overlay "4AE" at 40.108,18.5 h0.8 r180; Top Overlay "4AB" at 42.733,18.5 h0.8 r180; Top Overlay "4W" at 47.233,18.5 h0.8 r180; Top Overlay "4T" at 49.733,18.5 h0.8 r180; Top Overlay "4N" at 54.733,18.5 h0.8 r180; Top Overlay "4K" at 57.233,18.5 h0.8 r180; Top Overlay "4I" at 59.6,18.5 h0.8 r180; Top Overlay "4F" at 62.233,18.5 h0.8 r180; Top Overlay "4C" at 64.733,18.5 h0.8 r180; Top Overlay "4AG" at 37.333,22.1 h0.8 r180; Top Overlay "4AD" at 40.108,22.1 h0.8 r180; Top Overlay "4AA" at 42.733,22.1 h0.8 r180; Top Overlay "4X" at 44.733,22.1 h0.8 r180; Top Overlay "4V" at 47.233,22.1 h0.8 r180; Top Overlay "4S" at 49.733,22.1 h0.8 r180; Top Overlay "4P" at 52.233,22.1 h0.8 r180; Top Overlay "4M" at 54.733,22.1 h0.8 r180; Top Overlay "4J" at 57.233,22.1 h0.8 r180; Top Overlay "4H" at 59.733,22.1 h0.8 r180; Top Overlay "4E" at 62.233,22.1 h0.8 r180; Top Overlay "4B" at 64.733,22.1 h0.8 r180; Top Overlay "4AF" at 37.333,26.5 h0.8 r180; Top Overlay "4AC" at 40.463,26.5 h0.8 r180; Top Overlay "4Z" at 43.193,26.5 h0.8 r180; Top Overlay "4U" at 46.323,26.5 h0.8 r180; Top Overlay "4R" at 49.453,26.5 h0.8 r180; Top Overlay "4O" at 52.583,26.5 h0.8 r180; Top Overlay "4L" at 55.713,26.5 h0.8 r180; Top Overlay "4D" at 61.303,26.5 h0.8 r180; Top Overlay "4A" at 64.433,26.5 h0.8 r180; Top Overlay "2B" at 109.033,22.1 h0.8 r180; Top Overlay "2C" at 109.033,18.5 h0.8 r180; Top Overlay "2A" at 109.033,26.5 h0.8 r180; Top Overlay "2D" at 106.533,26.5 h0.8 r180; Top Overlay "2G" at 104.033,26.5 h0.8 r180; Top Overlay "2J" at 101.533,26.5 h0.8 r180; Top Overlay "2M" at 99.033,26.5 h0.8 r180; Top Overlay "2P" at 96.533,26.5 h0.8 r180; Top Overlay "2E" at 106.533,22.1 h0.8 r180; Top Overlay "2H" at 104.033,22.1 h0.8 r180; Top Overlay "2K" at 101.533,22.1 h0.8 r180; Top Overlay "2N" at 99.033,22.1 h0.8 r180; Top Overlay "2Q" at 96.533,22.1 h0.8 r180; Top Overlay "2F" at 106.533,18.5 h0.8 r180; Top Overlay "2I" at 103.9,18.5 h0.8 r180; Top Overlay "2O" at 99.033,18.5 h0.8 r180; Top Overlay "2R" at 96.533,18.5 h0.8 r180; Top Overlay "3C" at 90.633,18.5 h0.8 r180; Top Overlay "3A" at 90.633,26.5 h0.8 r180; Top Overlay "3D" at 87.833,26.5 h0.8 r180; Top Overlay "3J" at 82.523,26.5 h0.8 r180; Top Overlay "3M" at 79.393,26.5 h0.8 r180; Top Overlay "3P" at 76.263,26.5 h0.8 r180; Top Overlay "3U" at 73.133,26.5 h0.8 r180; Top Overlay "3X" at 70.333,26.5 h0.8 r180; Top Overlay "3B" at 90.633,22.1 h0.8 r180; Top Overlay "3E" at 87.833,22.1 h0.8 r180; Top Overlay "3H" at 85.333,22.1 h0.8 r180; Top Overlay "3K" at 82.833,22.1 h0.8 r180; Top Overlay "3N" at 80.333,22.1 h0.8 r180; Top Overlay "3Q" at 77.833,22.1 h0.8 r180; Top Overlay "3S" at 75.333,22.1 h0.8 r180; Top Overlay "3V" at 72.833,22.1 h0.8 r180; Top Overlay "3Y" at 70.333,22.1 h0.8 r180; Top Overlay "3F" at 87.833,18.5 h0.8 r180; Top Overlay "3I" at 85.2,18.5 h0.8 r180; Top Overlay "3L" at 82.833,18.5 h0.8 r180; Top Overlay "3O" at 80.333,18.5 h0.8 r180; Top Overlay "3T" at 75.333,18.5 h0.8 r180; Top Overlay "3W" at 72.833,18.5 h0.8 r180; Top Overlay "3Z" at 70.333,18.5 h0.8 r180; Bottom Overlay "4AH" at 35.2,18.5 h0.8 r180; Bottom Overlay "4AE" at 37.975,18.5 h0.8 r180; Bottom Overlay "4AB" at 40.6,18.5 h0.8 r180; Bottom Overlay "4W" at 45.9,18.5 h0.8 r180; Bottom Overlay "4T" at 48.4,18.5 h0.8 r180; Bottom Overlay "4N" at 53.4,18.5 h0.8 r180; Bottom Overlay "4K" at 55.9,18.5 h0.8 r180; Bottom Overlay "4I" at 58.533,18.5 h0.8 r180; Bottom Overlay "4F" at 60.9,18.5 h0.8 r180; Bottom Overlay "4C" at 63.4,18.5 h0.8 r180; Bottom Overlay "4AG" at 35.2,22.1 h0.8 r180; Bottom Overlay "4AD" at 37.95,22.1 h0.8 r180; Bottom Overlay "4AA" at 40.6,22.1 h0.8 r180; Bottom Overlay "4X" at 43.4,22.1 h0.8 r180; Bottom Overlay "4V" at 45.9,22.1 h0.8 r180; Bottom Overlay "4S" at 48.4,22.1 h0.8 r180; Bottom Overlay "4P" at 50.9,22.1 h0.8 r180; Bottom Overlay "4M" at 53.4,22.1 h0.8 r180; Bottom Overlay "4J" at 55.9,22.1 h0.8 r180; Bottom Overlay "4H" at 58.4,22.1 h0.8 r180; Bottom Overlay "4E" at 60.9,22.1 h0.8 r180; Bottom Overlay "4B" at 63.4,22.1 h0.8 r180; Bottom Overlay "4AF" at 35.2,26.5 h0.8 r180; Bottom Overlay "4AC" at 38.33,26.5 h0.8 r180; Bottom Overlay "4Z" at 41.86,26.5 h0.8 r180; Bottom Overlay "4U" at 44.99,26.5 h0.8 r180; Bottom Overlay "4R" at 48.12,26.5 h0.8 r180; Bottom Overlay "4O" at 51.25,26.5 h0.8 r180; Bottom Overlay "4L" at 54.38,26.5 h0.8 r180; Bottom Overlay "4D" at 59.97,26.5 h0.8 r180; Bottom Overlay "4A" at 63.1,26.5 h0.8 r180; Bottom Overlay "2B" at 107.7,22.1 h0.8 r180; Bottom Overlay "2C" at 107.7,18.5 h0.8 r180; Bottom Overlay "2A" at 107.7,26.5 h0.8 r180; Bottom Overlay "2D" at 105.2,26.5 h0.8 r180; Bottom Overlay "2G" at 102.7,26.5 h0.8 r180; Bottom Overlay "2J" at 100.2,26.5 h0.8 r180; Bottom Overlay "2M" at 97.7,26.5 h0.8 r180; Bottom Overlay "2P" at 95.2,26.5 h0.8 r180; Bottom Overlay "2E" at 105.2,22.1 h0.8 r180; Bottom Overlay "2H" at 102.7,22.1 h0.8 r180; Bottom Overlay "2K" at 100.2,22.1 h0.8 r180; Bottom Overlay "2N" at 97.7,22.1 h0.8 r180; Bottom Overlay "2Q" at 95.2,22.1 h0.8 r180; Bottom Overlay "2F" at 105.2,18.5 h0.8 r180; Bottom Overlay "2I" at 102.833,18.5 h0.8 r180; Bottom Overlay "2O" at 97.7,18.5 h0.8 r180; Bottom Overlay "2R" at 95.2,18.5 h0.8 r180; Bottom Overlay "3C" at 89.3,18.5 h0.8 r180; Bottom Overlay "3A" at 89.3,26.5 h0.8 r180; Bottom Overlay "3D" at 86.5,26.5 h0.8 r180; Bottom Overlay "3J" at 81.19,26.5 h0.8 r180; Bottom Overlay "3M" at 78.06,26.5 h0.8 r180; Bottom Overlay "3P" at 74.93,26.5 h0.8 r180; Bottom Overlay "3U" at 71.8,26.5 h0.8 r180; Bottom Overlay "3X" at 69,26.5 h0.8 r180; Bottom Overlay "3B" at 89.3,22.1 h0.8 r180; Bottom Overlay "3E" at 86.5,22.1 h0.8 r180; Bottom Overlay "3H" at 84,22.1 h0.8 r180; Bottom Overlay "3K" at 81.5,22.1 h0.8 r180; Bottom Overlay "3N" at 79,22.1 h0.8 r180; Bottom Overlay "3Q" at 76.5,22.1 h0.8 r180; Bottom Overlay "3S" at 74,22.1 h0.8 r180; Bottom Overlay "3V" at 71.5,22.1 h0.8 r180; Bottom Overlay "3Y" at 69,22.1 h0.8 r180; Bottom Overlay "3F" at 86.5,18.5 h0.8 r180; Bottom Overlay "3I" at 84.133,18.5 h0.8 r180; Bottom Overlay "3L" at 81.5,18.5 h0.8 r180; Bottom Overlay "3O" at 79,18.5 h0.8 r180; Bottom Overlay "3T" at 74,18.5 h0.8 r180; Bottom Overlay "3W" at 71.5,18.5 h0.8 r180; Bottom Overlay "3Z" at 69,18.5 h0.8 r180
P3: Top Overlay "1" at 49.058,116.96 h1.27 r90; Top Overlay "2" at 46.518,116.96 h1.27 r90; Top Overlay "23" at 49.058,148.964 h1.27 r90; Top Overlay "24" at 46.518,148.964 h1.27 r90